# Altium PCB FLoRa0.0.PcbDoc (part 1 of 2)
Units mm, origin at the board's own origin, x right, y up, seen from the top; angles counter-clockwise.
Board outline 53.85 x 89.97 mm, 4 copper layers (Top Layer, GND, 3V3, Bottom Layer), stack 1.803 mm thick; 84 components, 75 nets, 327 pads, 177 vias.
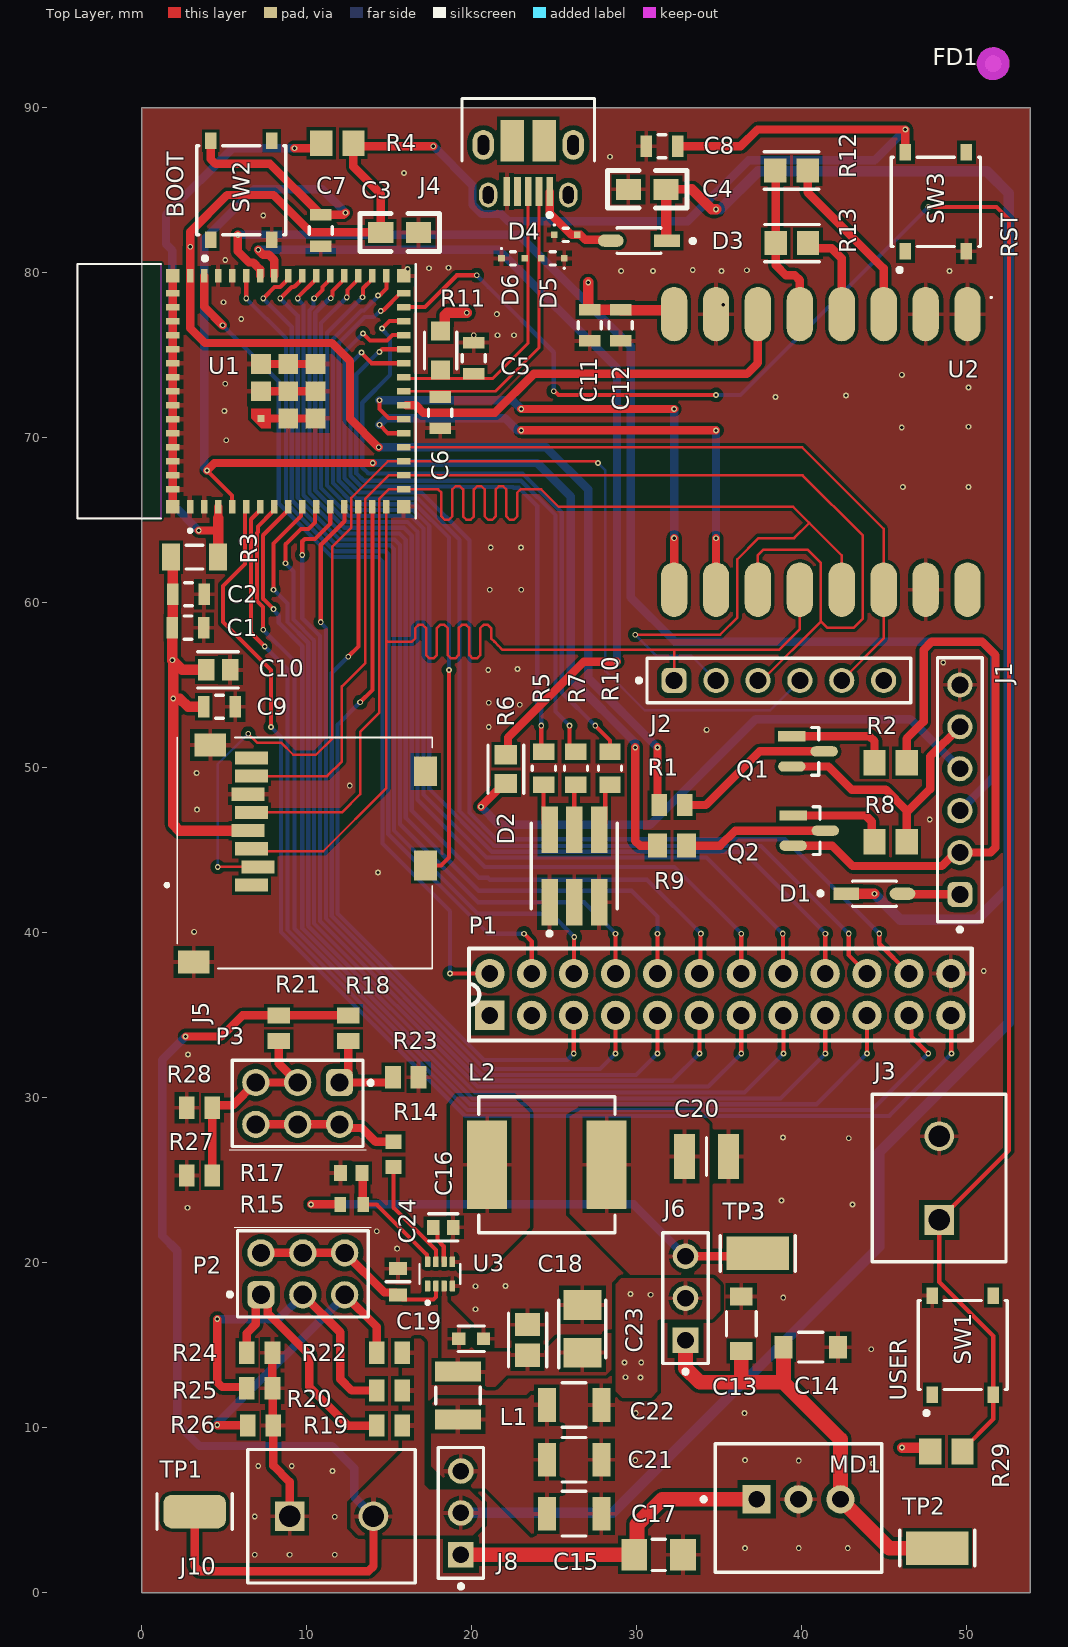
[diagram p0: Top Layer view]
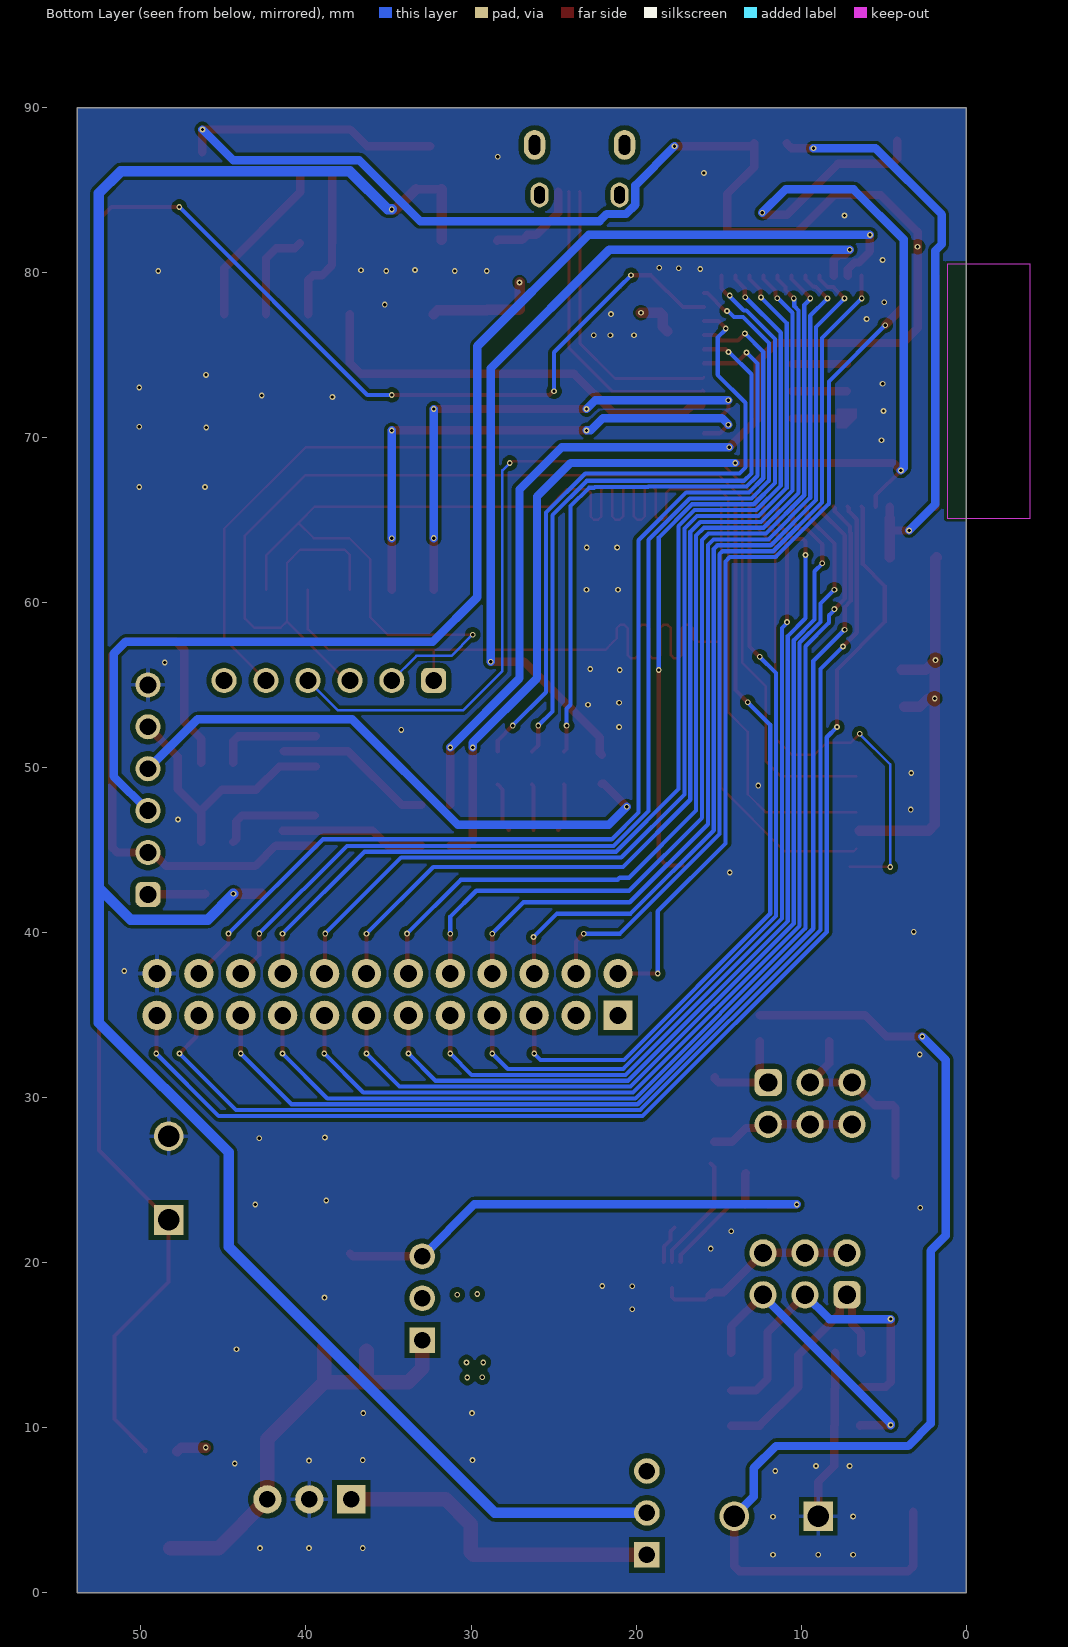
[diagram p1: Bottom Layer view, seen from below]
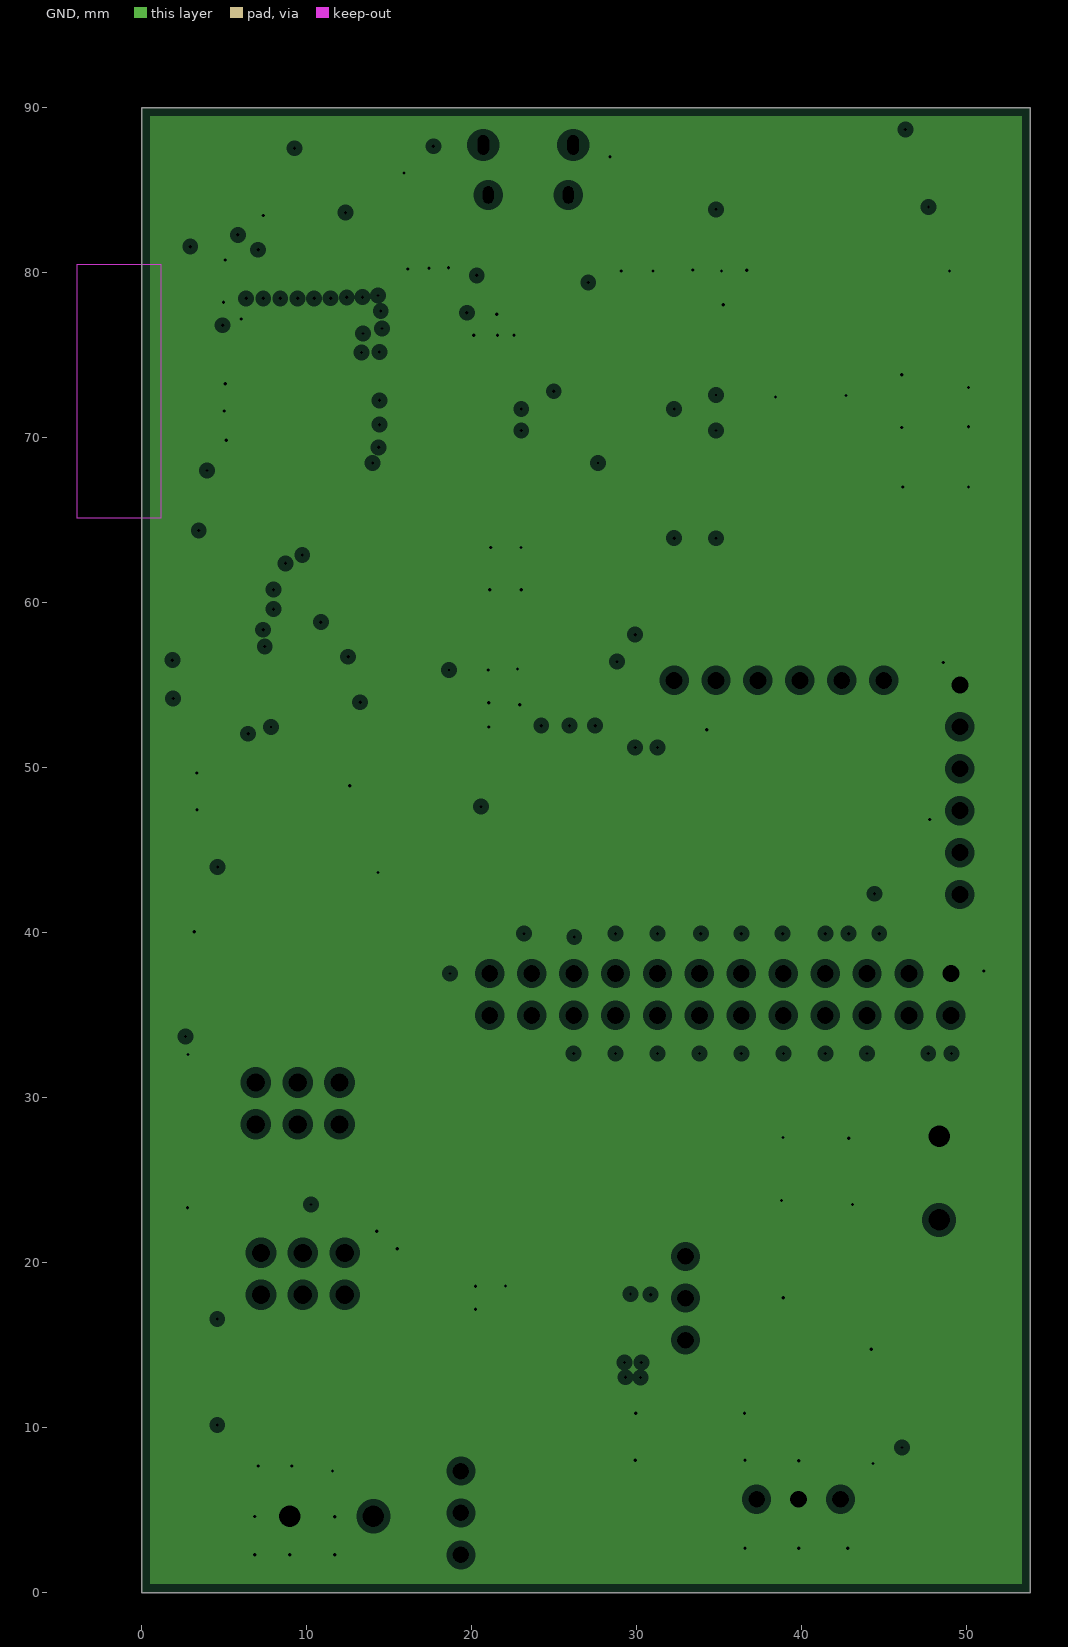
[diagram p2: GND, clearances drawn from the general rule]
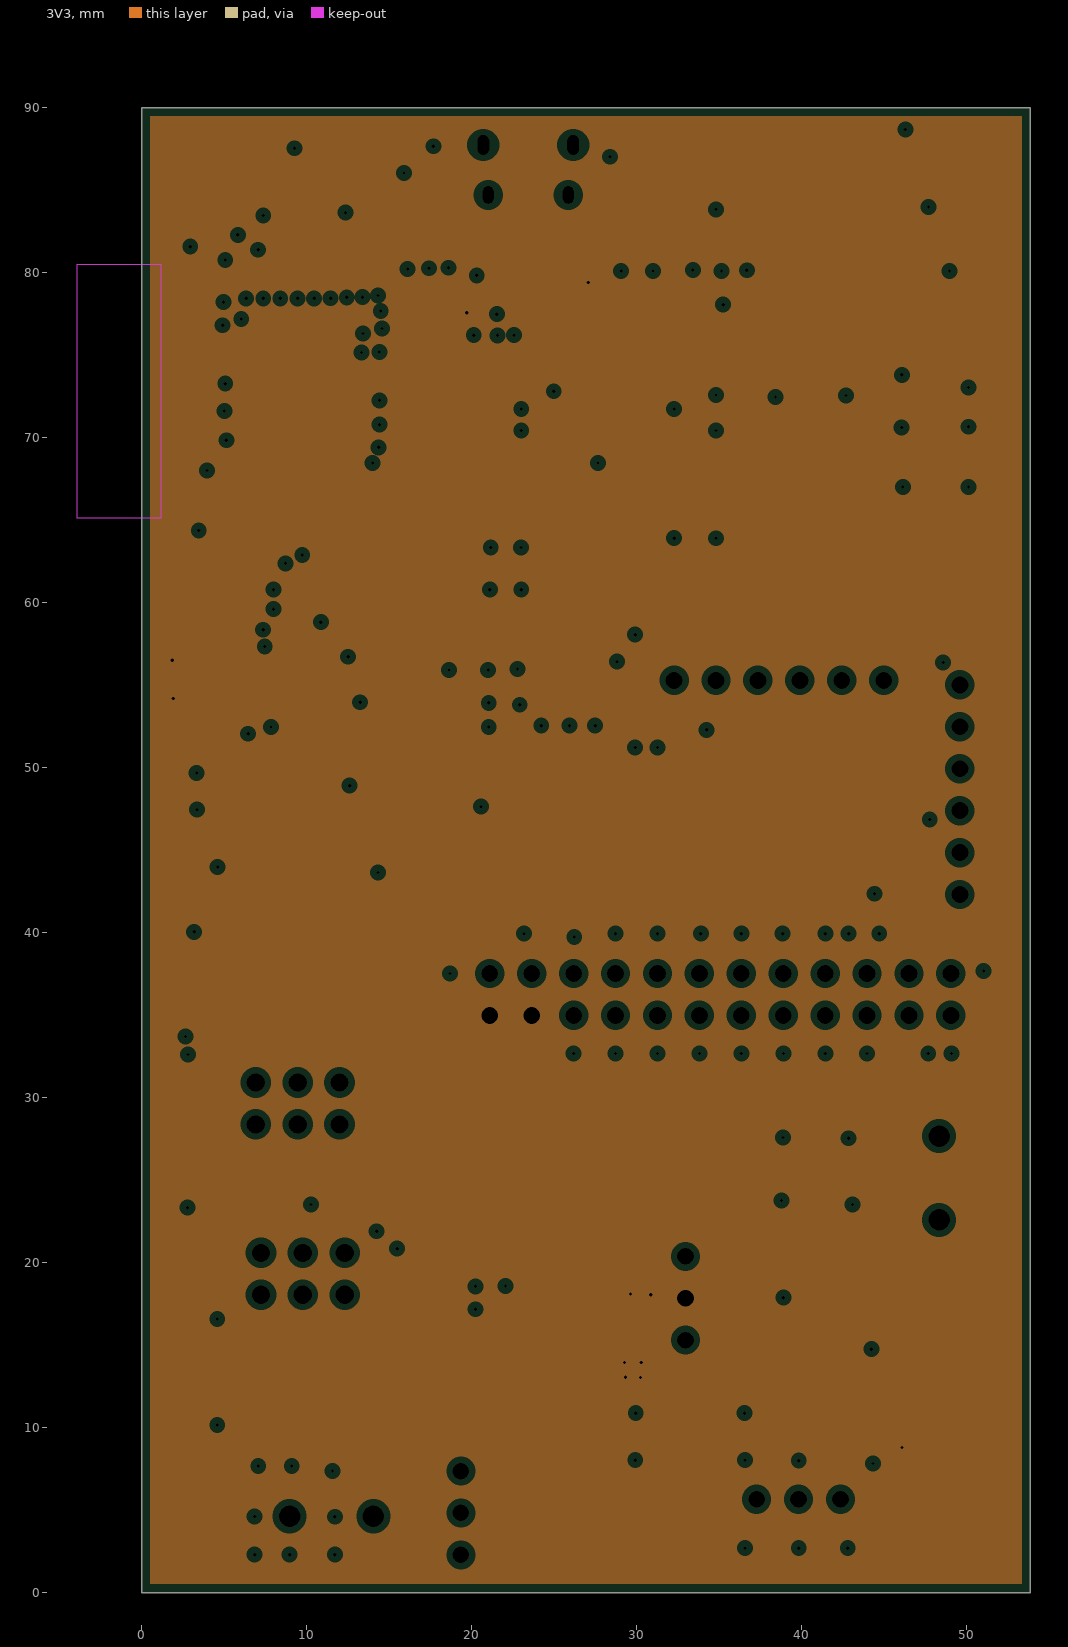
[diagram p3: 3V3, clearances drawn from the general rule]
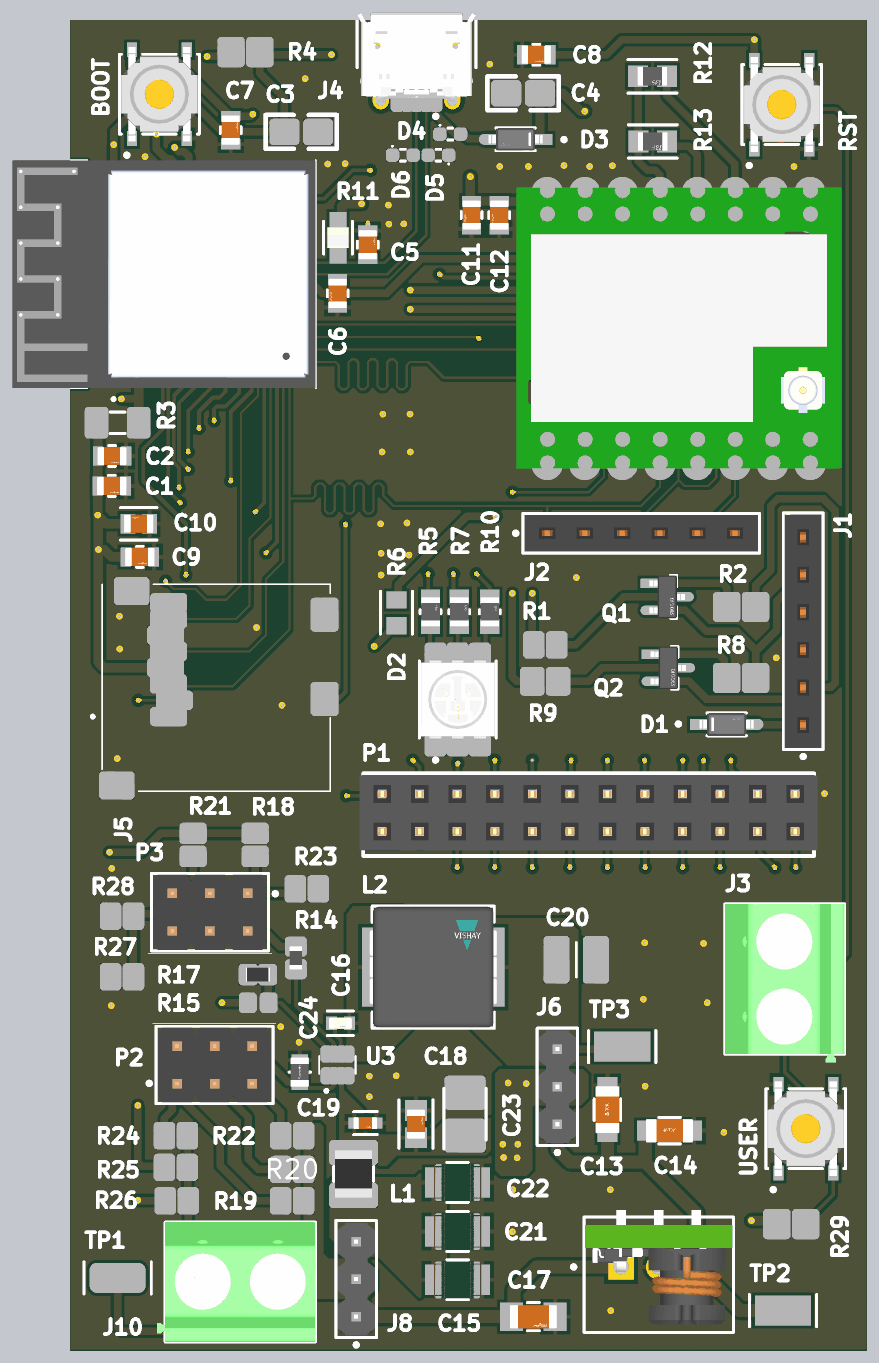
[diagram p5: 3D render of the assembled board from above, using the file's embedded part models]

## Layer stack, top to bottom
Top Solder: solder mask 0.0127, Solder Resist, Dk 3.3
Top Layer: signal copper 0.035
Dielectric 1: prepreg 0.0993, PP-024, Dk 4.05
GND: plane copper 0.018, net GND
Dielectric1: core 1.4986, FR-4, Dk 4.3
3V3: plane copper 0.018, net 3V3
Dielectric 2: prepreg 0.0993, PP-024, Dk 4.05
Bottom Layer: signal copper 0.035
Bottom Solder: solder mask 0.0127, Solder Resist, Dk 3.3

## Board outline
0,0 53.85,0 53.85,89.975 0,89.975

## Design rules (kind name [scope] priority, off if disabled: settings)
Clearance [All] p1: gap=0.203 ignorepadtopadclearanceinfootprint=FALSE except(0.102: Arc-Arc Arc-Track Track-Track; 0.15: Arc-SMDPad Arc-THPad Arc-Text Track-SMDPad Track-THPad Track-Text SMDPad-SMDPad SMDPad-Text THPad-Text Via-Text Fill-Text Poly-Text Region-Text Text-Text; 0.18: SMDPad-THPad THPad-THPad; 0.2: Arc-Via Track-Via SMDPad-Via THPad-Via Via-Via; 0.3: THPad-Fill THPad-Poly THPad-Region; 0.356: Arc-Hole Track-Hole SMDPad-Hole THPad-Hole Via-Hole Fill-Hole Poly-Hole Region-Hole Text-Hole)
DiffPairsRouting DiffPair_DiffPairsRouting [InDifferentialPair ('D_DATA')] p1: maxlimit=0.533 minlimit=0.254 mostfreqgap=0.508 toplayer_mingap=0.483 toplayer_minwidth=0.179 toplayer_maxwidth=0.184 toplayer_prefwidth=0.181 bottomlayer_maxgap=0.254 bottomlayer_prefgap=0.254 bottomlayer_minwidth=0.381 bottomlayer_maxwidth=0.381 bottomlayer_prefwidth=0.381 maxuncoupledlength=12.7
DiffPairsRouting [All] p2: maxlimit=0.533 minlimit=0.483 mostfreqgap=0.508 toplayer_minwidth=0.179 toplayer_maxwidth=0.184 toplayer_prefwidth=0.181 bottomlayer_minwidth=0.179 bottomlayer_maxwidth=0.184 bottomlayer_prefwidth=0.181 maxuncoupledlength=12.7
HoleSize [All] p1: absolutevalues=TRUE maxlimit=6.3 minlimit=0.15 maxpercent=80.000 minpercent=20.000
HoleToHoleClearance [All] p1: gap=0.2 allowstackedmicrovias=FALSE
MatchedLengths DiffPair_MatchedLengths [InDifferentialPair ('D_DATA')] p1: tolerance=0.635 checknetsindiffpair=FALSE checkdiffpairvsdiffpair=TRUE checkxsignals=TRUE checkothers=TRUE
MinimumAnnularRing MinimumAnnularRingVIA [IsVia] p1: minimumring=0.075
MinimumAnnularRing [All] p2: minimumring=0.2
MinimumSolderMaskSliver [All] p1: minsoldermaskwidth=0.13
PasteMaskExpansion [All] p1: expansion=0.254
PlaneClearance [All] p1: clearance=0.381
PlaneConnect [All] p1: pad.planeconnectstyle=Relief pad.reliefexpansion=0.508 pad.reliefentries=4 pad.reliefconductorwidth=0.254 pad.reliefairgap=0.254 via.planeconnectstyle=Direct via.reliefexpansion=0.508 via.reliefentries=4 via.reliefconductorwidth=0.254 via.reliefairgap=0.254
PolygonConnect [All] p1: thpad.connectstyle=Relief thpad.reliefconductorwidth=0.254 thpad.reliefentries=4 thpad.polygonreliefangle="90 Angle" thpad.airgapwidth=0.254 smdpad.connectstyle=Relief smdpad.reliefconductorwidth=0.254 smdpad.reliefentries=4 smdpad.polygonreliefangle="90 Angle" smdpad.airgapwidth=0.254 via.connectstyle=Direct via.reliefconductorwidth=0.254 via.reliefentries=4 via.polygonreliefangle="90 Angle" via.airgapwidth=0.254
RoutingLayers "RoutingLayers DIFF" [InNetClass('DIFF')] p1: top layer_v5=TRUE bottom layer_v5=FALSE
RoutingLayers "RoutingLayer COMMS" [InNetClass('COMMS')] p2: top layer_v5=TRUE bottom layer_v5=TRUE
RoutingPriority Analog [InNetClass('ANALOG')] p1: routingpriority=0
RoutingPriority Differential [InNetClass('DIFF')] p2: routingpriority=1
RoutingPriority "Single Ended Comms" [InNetClass('COMMS')] p3: routingpriority=2
RoutingPriority Digital [InNetClass('DIGITAL')] p4: routingpriority=3
RoutingPriority "Power Supply" [InNetClass('PWR_SUPPLY')] p5: routingpriority=4
RoutingPriority "Power Regulated" [InNetClass('PWR_REG')] p6: routingpriority=5
RoutingVias [All] p1: holewidth=0.2 width=0.35 viastyle="Through Hole" minholewidth=0.2 minwidth=0.35 maxholewidth=0.2 maxwidth=0.508
SMDNeckDown [All] p1: percent=150.000
SilkToSilkClearance [All] p1: silktosilkclearance=0.2
SilkToSolderMaskClearance SilkscreenOverComponentPads [IsPad] p1: minsilkscreentomaskgap=0.15 clearancetoexposedcopper=TRUE
SolderMaskExpansion [All] p1: expansion=0.05 istentingtop=FALSE
SupplyNets "Schematic Supply Nets_3" [InNet('GND')] p1: voltage=0.000
SupplyNets "Schematic Supply Nets_2" [InNet('3V3')] p2: voltage=0.000
SupplyNets "Schematic Supply Nets_1" [InNet('V_SUPPLY')] p3: voltage=0.000
SupplyNets "Schematic Supply Nets" [InNet('ESP_3V3')] p4: voltage=0.000
Width "Digital Width" [InNetClass('DIGITAL')] p1: maxlimit=0.762 minlimit=0.254 preferedwidth=0.508
Width "GND Trace Width" [InNet('GND')] p2: maxlimit=1.143 minlimit=0.254 preferedwidth=0.635
Width "Power Regulated Width" [InNetClass('PWR_REG')] p3: maxlimit=0.889 minlimit=0.508 preferedwidth=0.635
Width "Analog Width" [InNetClass('ANALOG')] p4: maxlimit=0.508 minlimit=0.254 preferedwidth=0.508
Width "Power Supply Width" [InNetClass('PWR_SUPPLY')] p5: maxlimit=0.889 minlimit=0.508 preferedwidth=0.635
Width "Comms Single Ended Width" [InNetClass('COMMS')] p6: maxlimit=0.151 minlimit=0.146 preferedwidth=0.149
Width [All] p7: maxlimit=0.508 minlimit=0.149 preferedwidth=0.508
19 further rules are at their usual default settings.

## Classes and differential pairs
net class PWR_SUPPLY: NetC15_1 NetC17_1 NetD1_2 NetD3_2 V_IN V_SUPPLY
net class PWR_REG: 3V3 ESP_3V3 NetC13_1 NetC20_2 SW_OUT
net class DIGITAL: ANT_SW B_LED CHIP_PU DTR G_LED GPIO0_BOOT GPIO1 GPIO2 GPIO3 GPIO4 GPIO5 GPIO6 GPIO7 GPIO8 GPIO9 GPIO10 GPIO36 GPIO37 GPIO38 GPIO39 GPIO40 GPIO41 GPIO42 GPIO45 GPIO46 GPIO47 GPIO48 LoRa_BUSY LoRa_IRQ LoRa_RESET R_LED RTS RX_EN SD_CD TX_EN U0RXD U0TXD USER_SW V_PG
net class COMMS: FSPI_CLK FSPI_MISO FSPI_MOSI LoRa_NSS SD_CS
net class ANALOG: FB NetP2_1 NetP2_3 NetP2_5 PSU_EN
component class "Power Supply": C13 C14 C15 C16 C17 C18 C19 C20 C21 C22 C23 C24 J6 J8 J10 L1 L2 MD1 R14 R15 R17 TP1 TP2 TP3 U3
component class MPU: C1 C2 C3 C4 C5 C6 C7 C8 C9 C10 D1 D2 D3 D4 D5 D6 J1 J2 J3 J4 J5 P1 Q1 Q2 R1 R2 R3 R4 R5 R6 R7 R8 R9 R10 R11 R29 SW1 SW2 SW3 U1
component class "LoRa Module": C11 C12 R12 R13 U2
component class FLoRa0.0: FD1
component class "Battery Selection": P2 P3 R18 R19 R20 R21 R22 R23 R24 R25 R26 R27 R28
differential pair D_DATA: +DATA_P -DATA_N

## Components (designator, comment, footprint, x,y, rotation, side; value= is the part's Value field where it differs from the comment)
C1 "0.1uF" FP-GCM21B-0_15-MFG 2.805,58.475 r0 top
C2 "22uF" FP-GRM21B-0_15-MFG 2.826,60.5 r0 top
C3 "1uF" 0805 14.482,82.425 r0 top
C4 "10uF" 0805 31.774,85.035 r180 top
C5 "0.1uF" FP-GCM21B-0_15-MFG 20.12,74.799 r90 top
C6 "0.1uF" FP-GCM21B-0_15-MFG 18.081,71.5 r270 top
C7 "0.1uF" FP-GCM21B-0_15-MFG 10.85,82.547 r90 top
C8 "0.1uF" FP-GCM21B-0_15-MFG 31.525,87.65 r0 top
C9 "0.1uF" FP-GCM21B-0_15-MFG 4.705,53.675 r0 top
C10 "10uF" FP-GRM21B-0_15-IPC_C 4.628,55.913 r180 top
C11 "22uF" FP-GRM21B-0_15-MFG 27.146,76.8 r270 top
C12 "0.1uF" FP-GCM21B-0_15-MFG 29.016,76.8 r270 top
C13 "47uF" FP-C3216-160-0_2-MFG 36.333,16.287 r90 top
C14 "47uF" FP-C3216-160-0_2-MFG 40.538,14.869 r0 top
C15 "10 uF" FP-GRT31C-0_2-IPC_A 31.326,2.285 r0 top
C16 "0.1uF" FP-C0603C104Z4VACTU-MFG 18.273,22.13 r0 top
C17 "22uF" FP-GRM32-MFG 26.2,4.78 r0 top
C18 "10uF" FP-GRM21B-0_15-IPC_A 23.38,15.31 r90 top
C19 "100nF" FP-0603-L_1_6_0_15-W_0_81-MFG 19.959,15.38 r0 top
C20 "100uF" CAPC3225X270N 34.223,26.425 r180 top
C21 "22uF" FP-GRM32-MFG 26.2,8.05 r0 top
C22 "22uF" FP-GRM32-MFG 26.2,11.365 r0 top
C23 "4.7uF" CAPPM3528X120N 26.7,15.98 r90 top
C24 "ECH-U1H821JX5" FP-ECHUJ1-MFG 15.526,18.83 r90 top
D1 "1N5819HW-7-F" FP-SOD123-IPC_A 44.4,42.35 r0 top
D2 "Red & Green & Blue, 120°" WL-SFTW_5050_150505M173300 26.209,44.032 r90 top
D3 "1N5819HW-7-F" FP-SOD123-IPC_A 30.123,81.925 r180 top
D4 "ESD5B5.0ST1G" ONSC-SOD-523-2-502-01_C_V 25.701,82.275 r0 top
D5 "ESD5B5.0ST1G" ONSC-SOD-523-2-502-01_C_V 24.902,80.85 r180 top
D6 "ESD5B5.0ST1G" ONSC-SOD-523-2-502-01_C_V 22.499,80.85 r0 top
FD1 "FID1X2R" FID1X2R 51.595,92.65 r0 top
J1 "61300611821" 61300611821 49.575,48.655 r90 top
J2 "61300611821" 61300611821 38.61,55.276 r0 top
J3 "1729128" PHOE-1729128-2_V 48.325,25.121 r90 top
J4 "10103594-0001LF" FCI-10103594-0001LF_V 23.421,86.335 r180 top
J5 "MEM2061-01-188-00-A" MEM20610118800A 6.65,50.575 r270 top
J6 "PREC003SAAN-RC" FP-PREC003SAAN-RC-MFG 32.95,17.838 r90 top
J8 "PREC003SAAN-RC" FP-PREC003SAAN-RC-MFG 19.339,4.825 r90 top
J10 "1729128" PHOE-1729128-2_V 11.5,4.625 r0 top
L1 "2.2uH" WE-PMCI_1210_L3.2W2.5H1.2 19.162,11.938 r90 top
L2 "4.7uH" FP-IHLP-3232DZ-FP_2_413x5-MFG 24.55,25.925 r0 top
MD1 "TPSM84203EAB" FP-EAB0003A-MFG 39.8,5.125 r0 top
P1 "PPPC122LFBN-RC" DIP24 21.093,34.975 r90 top
P2 "61300621121" 61300621121 9.759,19.315 r0 top
P3 "61300621121" 61300621121 9.448,29.642 r180 top
Q1 "MMBT3904-7-F" FP-SOT23-IPC_A 40.373,50.975 r0 top
Q2 "MMBT3904-7-F" FP-SOT23-IPC_A 40.45,46.175 r0 top
R1 "0R" RESC2013X70X40LL20T20 32.128,47.725 r0 top
R2 "10K" RESC2013X70X40ML20T20 45.375,50.287 r0 top
R3 "0R" RESC3216X70X50NL05T20 3.2,62.75 r180 top
R4 "10K" RESC2013X70X40ML20T20 11.85,87.825 r180 top
R5 "100R" FP-RNCP0805-MFG 24.366,49.966 r270 top
R6 "499R" FP-ERJ6EN-IPC_B 22.067,49.897 r270 top
R7 "100R" FP-RNCP0805-MFG 26.312,49.966 r270 top
R8 "10K" RESC2013X70X40ML20T20 45.375,45.487 r0 top
R9 "0R" RESC2013X70X40NL20T20 32.127,45.26 r0 top
R10 "100R" FP-RNCP0805-MFG 28.375,49.962 r270 top
R11 "1.5K" FP-ERJ6EN-MFG 18.11,75.268 r90 top
R12 "RMCF0805FT100R" FP-RMCF0805-IPC_A 39.374,86.178 r0 top
R13 "RMCF0805FT100R" FP-RMCF0805-IPC_A 39.398,81.775 r0 top
R14 "100k" RESC1508X50N 15.261,26.552 r90 top
R15 "30.9K" RESC1608X55X25NL10T15 12.717,23.52 r180 top
R17 "10k" RESC1609X50X30NL8T20 12.694,25.425 r0 top
R18 "ERJ6ENF2703V" RESC2013X70X40LL20T20 12.508,34.2 r90 top value=270k
R19 "ERJ6ENF2703V" RESC2013X70X40LL20T20 15.008,10.12 r0 top value=270k
R20 "ERJ-6ENF1073V" RESC2013X70X40LL20T20 15.008,12.244 r0 top value=107k
R21 "ERJ-6ENF1073V" RESC2013X70X40LL20T20 8.301,34.2 r90 top value=107k
R22 "ERJ-6ENF4023V" RESC2013X70X40LL20T20 15.008,14.53 r0 top value=402k
R23 "ERJ6ENF2703V" RESC2013X70X40LL20T20 16,31.225 r180 top value=270k
R24 "ERJ-6ENF5902V" RESC2013X70X40LL20T20 7.142,14.53 r180 top value=59k
R25 "ERJ-6ENF1182V" RESC2013X70X40LL20T20 7.142,12.381 r180 top value=11k8
R26 "ERJ-6ENF4022V" RESC2013X70X40LL20T20 7.201,10.12 r180 top value=40k2
R27 "ERJ-6ENF1073V" RESC2013X70X40LL20T20 3.499,25.275 r0 top value=107k
R28 "ERJ-6ENF1073V" RESC2013X70X40LL20T20 3.5,29.375 r0 top value=107k
R29 "10K" RESC2013X70X40ML20T20 48.764,8.55 r0 top
SW1 "PTS526SK15SMTR2LFS" FP-PTS526SK15SMTR2LFS-MFG 49.75,15 r90 top
SW2 "PTS526SK15SMTR2LFS" FP-PTS526SK15SMTR2LFS-MFG 6.025,84.975 r90 top
SW3 "PTS526SK15SMTR2LFS" FP-PTS526SK15SMTR2LFS-MFG 48.125,84.275 r90 top
TP1 "TP_VIN" FP-5019-MFG#1 3.202,4.907 r0 top
TP2 "TP_VOUT2" FP-5019-MFG#2 48.209,2.693 r0 top
TP3 "TP_VOUT1" FP-5019-MFG#2 37.333,20.549 r0 top
U1 "ESP32-S3-MINI-1-N8" XCVR_ESP32-S3-MINI-1-N8 8.876,72.8 r90 top
U2 "CORE-1262" WAVE-20855-Core1262 41.15,69.125 r270 top
U3 "TPS62933PDRLR" SOFL50P160X60-8S 18.072,19.312 r90 top
